# Altium PCB LimeSDR-Micro_M.2_2280_1v2.PcbDoc (part 9 of 9)
Units mm, origin at the board's own origin, x right, y up, seen from the top; angles counter-clockwise.
Board outline 80 x 22 mm, 8 copper layers (Top, L2, L3, L4, L5, L6, L7, Bottom), stack 0.775 mm thick; 678 components, 387 nets, 2375 pads, 919 vias.
Unrouted connection lines stored in the file: 254.
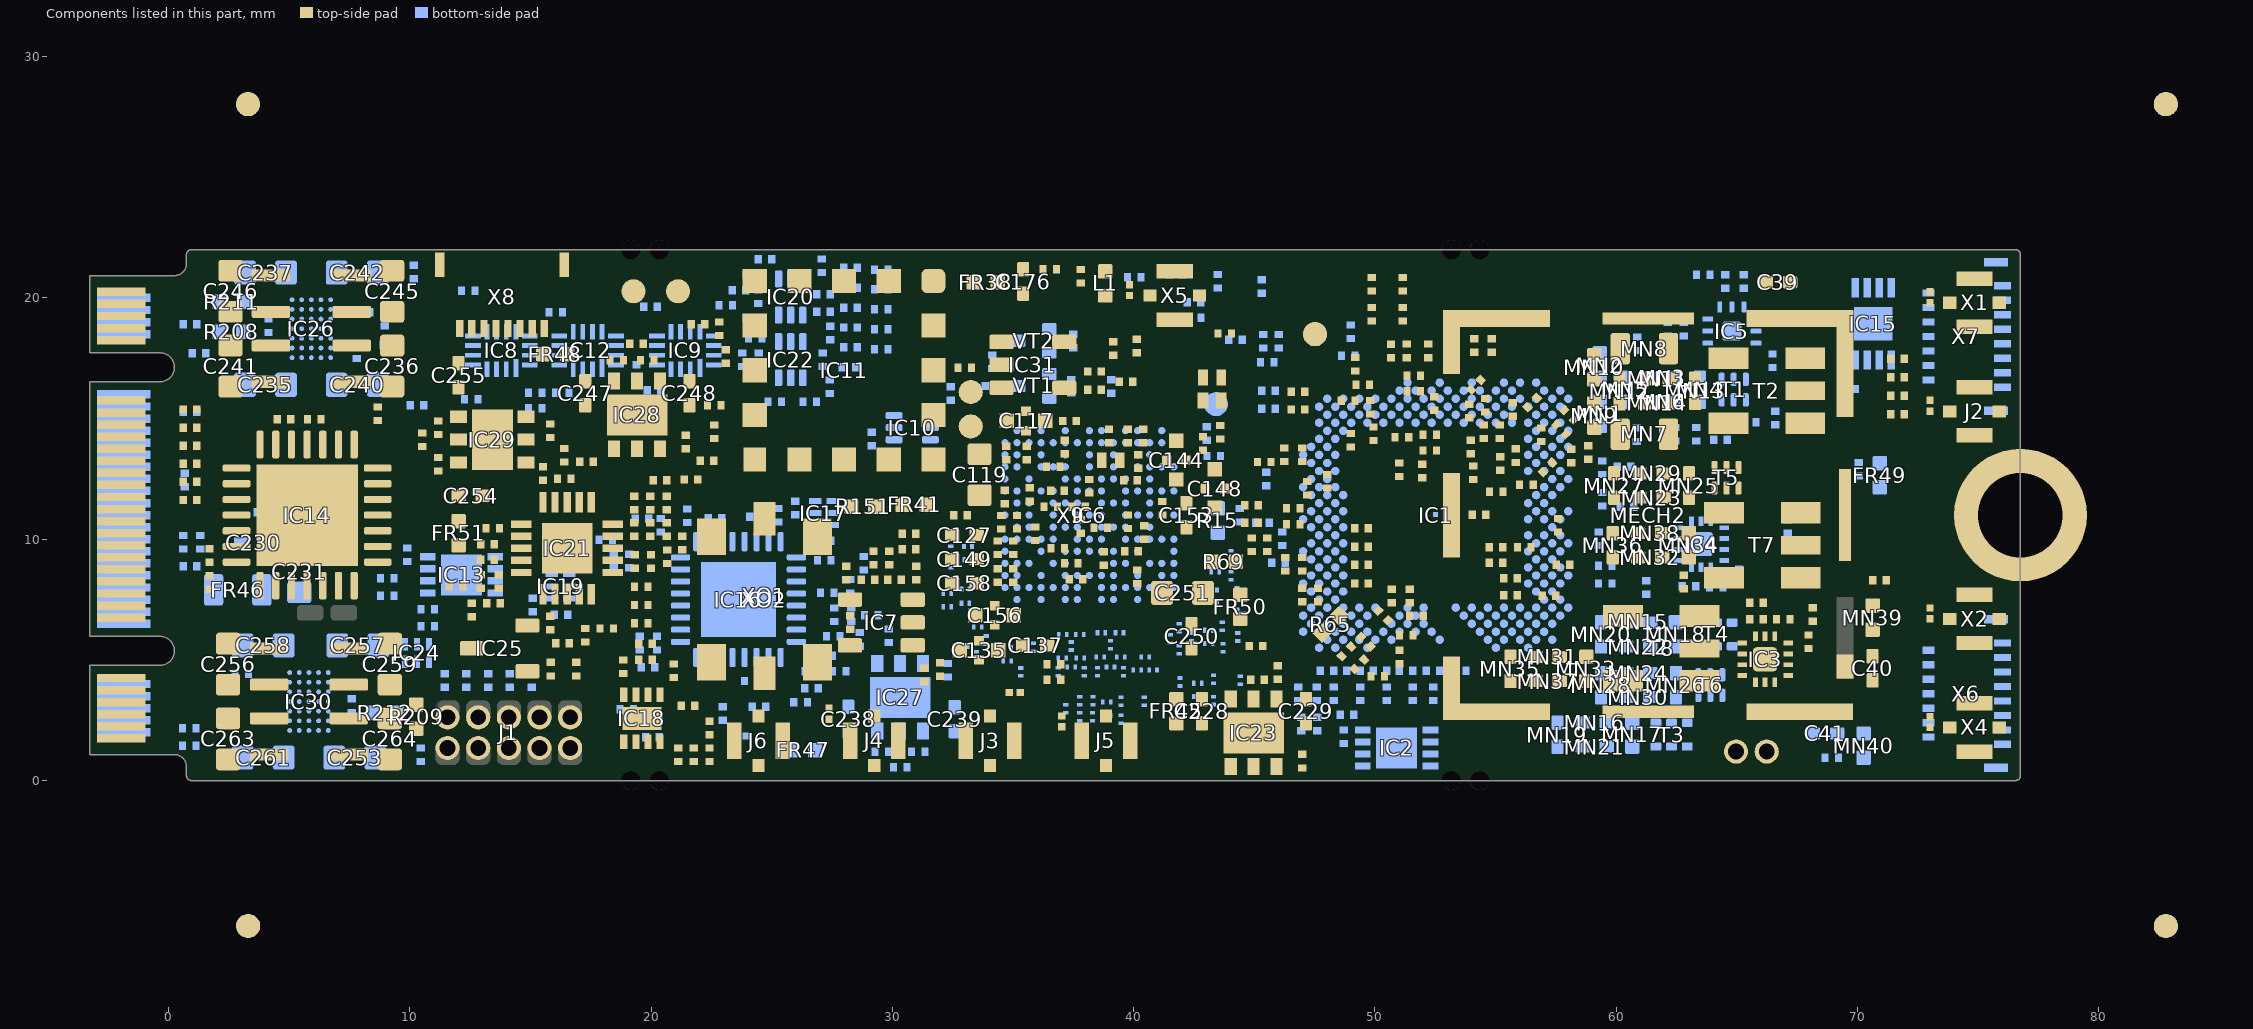
[diagram p15: the components of this part, seen from the top]

## Silkscreen, mask and mechanical layers (free items; w line width, h text height) (continued)
Mechanical1:
  drawing of 2595 lines, arcs and shapes, not listed
  text "LimeSDR-Micro M.2 2280 v.PROJECT_VERSION" at 246.425,288.375 h7
  text "CONTROLLED IMPEDANCE" at 106.525,274.875 h3
  text "STACKUP AND LAYER DESCRIPTION" at 235.525,274.875 h3
  text "GENERAL PARAMETERS" at 120.425,268.375 h1.7
  text "Parameter" at 142.425,264.6 h1.5
  text "Layer/Layers" at 187.925,264.375 h1.5
  text "Value" at 217.925,264.375 h1.5
  text "Top" at 182.925,259.575 h1.5
  text "17.5um" at 210.225,259.575 h1.5
  text "Copper foil thickness" at 107.425,259.375 h1.5
  text "102um (4 mils)" at 209.525,254.975 h1.5
  text "Dielectric thickness between layers" at 107.425,254.375 h1.5
  text "4.2" at 210.425,249.575 h1.5
  text "Dielectric permittivity between layers (Er)" at 107.425,249.375 h1.5
  text "Top-L2" at 182.925,248.375 h1.5
  text "Via type #2" at 327.3,247.33 h1.52
  text "Via type #1" at 357.2,247.305 h1.52
  text "17.5um" at 210.225,244.575 h1.5
  text "Copper foil thickness" at 107.425,244.375 h1.5
  text "Micro via" at 329.475,243.4 h1.52
  text "Bottom" at 182.925,243.375 h1.5
  text "Blind via" at 350.725,243.375 h1.52
  text "TH via" at 368.975,243.125 h1.52
  text "GERBER LAYER NAMES:" at 242.575,241.725 h1.52
  text "L7-Bot" at 331.425,240.325 h1.52
  text "L5-Bot" at 352.425,240.3 h1.52
  text "Top-Bot" at 368.425,240.05 h1.52
  text "102um (4 mils)" at 209.525,239.975 h1.5
  text "Dielectric thickness between layers" at 107.425,239.375 h1.5
  text "GTP" at 243.675,238.175 h1.52
  text "Top solder paste" at 248.775,237.825 h1
  text "GTO" at 243.675,235.1 h1.52
  text "Silkscreen" at 248.675,234.875 h1
  text "4.2" at 210.425,234.575 h1.5
  text "Dielectric permittivity between layers (Er)" at 107.425,234.375 h1.5
  text "ELECTRICAL LAYERS:" at 382.975,233.625 h1.52
  text "Bottom-L7" at 182.925,233.475 h1.5
  text "GTS" at 243.675,232.425 h1.52
  text "Soldermask (halogen free)" at 248.675,231.125 h1
  text "Top: RF/Signal/PWR/GND" at 383.65,230.15 h1.52
  text "GTL" at 243.675,229.925 h1.52
  text "0.5oz+plating" at 248.675,229.425 h1
  text "IT180A: 3313" at 297.137,227.275 h1.2
  text "4mil (102um)" at 279.837,227.25 h1
  text "PP" at 270.975,227.125 h1
  text "CALCULATIONS" at 106.425,226.875 h1.7
  text "G1" at 243.675,225.425 h1.52
  text "1oz (35um)" at 248.675,225.225 h1
  text "L2: GND" at 383.675,225.125 h1.52
  text "IT180A: 1078" at 297.125,222.8 h1.2
  text "3mil (80um)" at 279.825,222.775 h1
  text "CORE" at 270.975,222.625 h1
  text "Target impedance" at 113.425,221.875 h1.5
  text "Single-ended" at 182.925,221.875 h1.5
  text "50R" at 209.425,221.875 h1.5
  text "G2" at 243.675,220.925 h1.52
  text "1oz (35um)" at 248.675,220.725 h1
  text "L3: Signal/PWR/GND" at 383.675,220.625 h1.52
  text "IT180A: 1078" at 297.125,218.3 h1.2
  text "3mil (80um)" at 279.825,218.275 h1
  text "PP" at 270.975,218.125 h1
  text "Additional comments" at 113.425,216.875 h1.5
  text "Top layer, no side GND plane" at 182.925,216.875 h1.5
  text "G3" at 243.675,216.425 h1.52
  text "1oz (35um)" at 248.675,216.225 h1
  text "L4: Signal/PWR/GND" at 383.675,216.125 h1.52
  text "IT180A: 3313" at 297.125,213.775 h1.2
  text "4mil (102um)" at 279.825,213.75 h1
  text "CORE" at 270.975,213.625 h1
  text "G4" at 243.662,211.925 h1.52
  text "Top layer copper foil thickness" at 113.425,211.875 h1.5
  text "17.5um" at 182.925,211.875 h1.5
  text "1oz (35um)" at 248.675,211.725 h1
  text "1oz (35um)" at 248.662,211.7 h1
  text "L5: GND" at 383.775,211.625 h1.52
  text "IT180A: 1078" at 297.125,209.3 h1.2
  text "3mil (80um)" at 279.825,209.275 h1
  text "PP" at 270.962,209.125 h1
  text "G5" at 243.662,207.45 h1.52
  text "1oz (35um)" at 248.662,207.25 h1
  text "L6: CLK/PWR/GND" at 383.662,207.15 h1.52
  text "Track width" at 113.425,206.875 h1.5
  text "0.18mm" at 182.925,206.875 h1.5
  text "IT180A: 1078" at 297.112,204.825 h1.2
  text "3mil (80um)" at 279.812,204.8 h1
  text "CORE" at 270.962,204.65 h1
  text "G6" at 243.65,202.95 h1.52
  text "1oz (35um)" at 248.662,202.75 h1
  text "1oz (35um)" at 248.65,202.725 h1
  text "L7: GND" at 383.763,202.65 h1.52
  text ">3h" at 182.925,201.975 h1.5
  text "Distance to reference plane" at 113.425,201.875 h1.5
  text "IT180A: 3313" at 297.112,200.325 h1.2
  text "4mil (102um)" at 279.812,200.3 h1
  text "PP" at 270.95,200.15 h1
  text "102um (4 mils)" at 209.525,198.475 h1.5
  text "GBL" at 243.65,198.475 h1.52
  text "Bottom: RF/Signal/PWR/GND" at 383.7,198.45 h1.52
  text "0.5oz+plating" at 248.65,197.975 h1
  text "Dielectric thickness between layers" at 113.425,197.875 h1.5
  text "GBS" at 243.65,195.975 h1.52
  text "Soldermask (halogen free)" at 248.65,194.775 h1
  text "ADDITIONAL LAYERS:" at 385.95,194.175 h1.52
  text "GBO" at 243.65,193.375 h1.52
  text "Silkscreen" at 248.65,193.175 h1
  text "4.2" at 210.425,193.075 h1.5
  text "Dielectric permittivity between layers (Er)" at 113.425,191.875 h1.5
  text "Top-L2" at 182.925,191.875 h1.5
  text "GBP" at 243.65,190.4 h1.52
  text "Bottom solder paste" at 248.65,190.2 h1
  text "Mechanical 1: Board cutout" at 388.65,189.975 h1.52
  text "Total PCB thicknes: 0.8mm +/- 10%" at 267.25,187.675 h1.52
  text "50 Ohms (+/- 10% tolerance)" at 182.925,186.975 h1.5
  text "ASM TOP: Assembly top" at 388.65,186.975 h1.52
  text "RF (Top)" at 112.925,186.875 h2 r90
  text "Approximate microstrip line impedance" at 113.425,186.875 h1.5
  text "0.2mm drill / 0.35mm ring" at 350.025,185.33 h1.2
  text "0.2mm drill / 0.35mm ring" at 366.875,185.28 h1.2
  text "ASM BOT: Assembly bottom" at 388.65,183.975 h1.52
  text "TH via type must be resin filled with metal cap" at 315.7,182.08 h1.52
  text "Target impedance" at 113.425,181.875 h1.5
  text "Differential" at 182.925,181.875 h1.5
  text "100R" at 209.425,181.875 h1.5
  text "Mechanical 13: Component 3D body" at 388.65,180.975 h1.52
  text "Notes: Board shape and frame" at 388.725,178.05 h1.52
  text "Additional comments" at 113.425,176.875 h1.5
  text "Top layer, no side GND plane" at 182.925,176.875 h1.5
  text "Blind and micro via type can be coated with copper" at 315.8,176.105 h1.52
  text "Top layer copper foil thickness" at 113.425,171.875 h1.5
  text "17.5um" at 182.925,171.875 h1.5
  text "Track width" at 113.425,166.875 h1.5
  text "0.1 mm (3.93 mils)" at 182.925,166.875 h1.5
  text "Track spacing" at 113.425,161.875 h1.5
  text "0.1 mm (3.93 mils)" at 182.925,161.875 h1.5
  text ">3h" at 182.925,156.975 h1.5
  text "Distance to reference plane" at 113.425,156.875 h1.5
  text "102um (4 mils)" at 209.525,153.475 h1.5
  text "Dielectric thickness between layers" at 113.425,152.875 h1.5
  text "4.2" at 210.425,148.075 h1.5
  text "Dielectric permittivity between layers (Er)" at 113.425,146.875 h1.5
  text "Top-L2" at 182.925,146.875 h1.5
  text "100 Ohms (+/- 10% tolerance)" at 182.925,141.975 h1.5
  text "RF (Top)" at 112.925,141.875 h2 r90
  text "Approximate microstrip line impedance" at 113.425,141.875 h1.5
  text "Target impedance" at 113.425,136.875 h1.5
  text "Single-ended" at 182.925,136.875 h1.5
  text "50R" at 209.425,136.875 h1.5
  text "Additional comments" at 113.425,131.875 h1.5
  text "Bottom layer, no side GND plane" at 182.925,131.875 h1.5
  text "Top layer copper foil thickness" at 113.425,126.875 h1.5
  text "17.5 um" at 182.925,126.875 h1.5
  text "VERY IMPORTANT NOTES" at 235.525,123.675 h3
  text "Track width" at 113.425,121.875 h1.5
  text "0.18mm" at 182.925,121.875 h1.5
  text "GENERAL PCB SPECS" at 235.525,117.175 h1.7
  text "ADDITIONAL REQUIREMENTS" at 344.525,117.175 h1.7
  text ">3h" at 182.925,116.975 h1.5
  text "Distance to reference plane" at 113.425,116.875 h1.5
  text "102um (4 mils)" at 209.525,113.475 h1.5
  text "Dielectric thickness between layers" at 113.425,112.875 h1.5
  text "Minimum copper to copper spacing" at 236.425,112.175 h1.5
  text "0.1mm (3.9mil)" at 291.925,112.175 h1.5
  text "4.2" at 210.425,108.075 h1.5
  text "Minimum track width" at 236.425,107.175 h1.5
  text "0.1mm (3.9mil)" at 291.925,107.175 h1.5
  text "All 0.2mm vias including 0.35mm ring and 0.2mm drill via-in-pads (IC1 and IC6) must be resin filled with metal cap." at 349.375,107.175 h1.5
  text "Dielectric permittivity between layers (Er)" at 113.425,106.875 h1.5
  text "Bottom-L7" at 182.925,106.875 h1.5
  text "PCB thickness" at 236.425,102.175 h1.5
  text "0.8mm +/-10%" at 291.925,102.175 h1.5
  text "49.99 Ohms (+/- 10% tolerance)" at 182.925,101.975 h1.5
  text "RF (Bottom)" at 112.925,101.875 h2 r90
  text "Approximate microstrip line impedance" at 113.425,101.875 h1.5
  text "Target impedance" at 113.425,96.875 h1.5
  text "Differential" at 182.925,96.875 h1.5
  text "85R" at 209.425,96.875 h1.5
  text "PCB material" at 236.425,92.175 h1.5
  text "IT-180A preferred or equivalent RF-rated material (up to 3 GHz or higher)" at 292.925,92.075 h1.5
  text "Additional comments" at 113.425,91.875 h1.5
  text "Top/Bottom layers, no side GND" at 182.925,91.875 h1.5
  text "IC1 thermal pad vias with 0.4mm ring and 0.2mm drill must be resin filled with metal cap. IC1 thermal pad vias  with 0.5mm ring and 0.2mm drill must be left open (NO resin fill with metal cap). 4 vias in total, marked with note." at 349.375,91.175 h1.5
  text "External layer" at 291.925,87.175 h1.5
  text "0.5 oz+plating" at 318.525,87.175 h1.5
  text "Top layer copper foil thickness" at 113.425,86.875 h1.5
  text "17.5 um" at 182.925,86.875 h1.5
  text "Copper weight" at 236.425,82.375 h1.5
  text "Internal layer" at 291.925,82.175 h1.5
  text "1 oz" at 318.425,82.175 h1.5
  text "Track width" at 113.425,81.875 h1.5
  text "0.14 mm (5.5 mils)" at 182.925,81.875 h1.5
  text "DARK BLUE" at 291.925,77.175 h1.5
  text "Electrical test : 100 % netlist." at 349.375,77.175 h1.5
  text "Track spacing" at 113.425,76.875 h1.5
  text "0.1 mm (3.93 mils)" at 182.925,76.875 h1.5
  text "Both sides" at 291.925,72.175 h1.5
  text ">3h" at 182.925,71.975 h1.5
  text "Distance to reference plane" at 113.425,71.875 h1.5
  text "173um (6.8 mils)" at 209.525,68.475 h1.5
  text "Dielectric thickness between layers" at 113.425,67.875 h1.5
  text "With halogen or halogen free" at 291.925,67.175 h1.5
  text "Boards are to be individually bagged." at 349.375,67.175 h1.5
  text "4.2" at 210.425,63.075 h1.5
  text "Solder mask" at 236.425,62.175 h1.5
  text "Glossy finish (NOT matte)" at 291.925,62.175 h1.5
  text "Dielectric permittivity between layers (Er)" at 113.425,61.875 h1.5
  text "Top-L2 / Bottom-L7" at 182.925,61.875 h1.5
  text "White epoxy ink" at 291.925,57.175 h1.5
  text "PCB vendor to silkscreen UL and RoHS compliance marks, vendor logo and date code on bottom where shown (ignore if none of the info will be placed on PCB)" at 349.375,57.175 h1.5
  text "PCIe REQUIREMENTS #2 AND #3" at 13.3,56.975 h0.7
  text "85 Ohms (+/- 10% tolerance)" at 182.925,56.975 h1.5
  text "PCIe (Top and Bottom)" at 112.925,56.875 h2 r90
  text "Approximate microstrip line impedance" at 113.425,56.875 h1.5
  text "PCI connector / edge chamfer" at -1.95,56.725 h0.7
  text "Both sides" at 291.925,52.175 h1.5
  text "2x20 (+/-5%) / degrees" at -8.325,47.6 h0.7
  text "With halogen or halogen free" at 291.925,47.175 h1.5
  text "Assembly note: Assembly house MUST provide notes in paper with shipped board if there were any changes during assembly and the board is not assembled 100% according to BOM and P&P files. Note example:" at 349.375,44.175 h1.5
  text "Silkscreen" at 236.425,42.175 h1.5
  text "No silkscreen on pads" at 291.925,42.175 h1.5
  text "2x 0.3mm (+/-0.25mm)" at -9.75,42.05 h0.7
  text "0.2 mm min" at 6.525,41.45 h0.7
  text "Comment" at 410.125,40.125 h1.5
  text "Part" at 350.725,38.875 h1.5
  text "Initial BOM asm. note" at 359.125,38.875 h1.5
  text "Current PCB status" at 377.125,38.875 h1.5
  text "0.8mm (+/-10%)" at -2.975,38.675 h0.7
  text "Plated" at 291.925,37.175 h1.5
  text "Non-plated" at 318.425,37.175 h1.5
  text "PCIe REQUIREMENT #1" at -7.425,36.425 h0.7
  text "R1" at 351.975,33.875 h1.5
  text "FIT" at 365.225,33.875 h1.5
  text "NF" at 383.475,33.875 h1.5
  text "Not mounted due to bad footprint" at 394.725,33.375 h1.5
  text "IC5" at 351.475,30.875 h1.5
  text "FIT" at 365.225,30.875 h1.5
  text "NF" at 383.475,30.375 h1.5
  text "Not mounted due to part shortage" at 394.725,29.875 h1.5
  text "Hole types on the PCB and information" at 236.425,27.175 h1.5
  text "Hole diameters are final manufactured diameters INCLUDING HOLE METALIZATION." at 296.125,27.175 h1.5
  text "V-score" at 292.675,22.175 h1.5
  text "Tab route" at 318.425,22.175 h1.5
  text "M key" at -2.65,18.55 h0.7
  text "Route process" at 236.425,17.175 h1.5
  text "V-score and tab route" at 292.675,17.175 h1.5
  text "PCIe REQUIREMENT #1: PCI EXPRESS pads (top and bottom) - 30 micro inches of gold over 50 micro inches nickel plating" at 349.375,17.15 h1.5
  text "Panel" at 236.325,12.175 h1.5
  text "Yes" at 292.675,12.175 h1.5
  text "No" at 318.425,12.175 h1.5
  text "HASL lead free" at 292.675,7.175 h1.5
  text "PCIe REQUIREMENT #2: Board edge below PCI pads must be chamfered (as shown). Edges must be free of cutting burrs" at 349.375,7.15 h1.5
  text "B key" at -2.725,2.225 h0.7
  text "HASL with lead" at 292.675,2.175 h1.5
  text "Immersion gold" at 292.675,-2.825 h1.5
  text "PCIe REQUIREMENT #3: PCIe finger leader lines are acceptable" at 349.375,-2.85 h1.5
  text "0.05-0.10um of gold over / 2.50-5.00um of nickel" at 314.075,-2.925 h1
  text "OSP" at 292.675,-7.825 h1.5
  text "Blind vias can be coated with copper" at 349.375,-12.85 h1.5
  text "0.8-2um of electroplated gold on PCIe fingers" at 314.225,-13.05 h1
  text "Surface finish (both sides)" at 236.225,-13.125 h1.5
  text "Hard gold" at 292.675,-13.125 h1.5
Notes:
  lines w0.15: 18.251,0 18.251,-3.025 -3.25,-3.025 -3.25,-13.18 89.925,-13.18 89.925,35.18 -3.25,35.18 -3.25,25.025 18.251,25.025 18.251,22 ; 21.249,0 21.249,-3.025 52.251,-3.025 52.251,0 ; 21.249,22 21.249,25.025 52.251,25.025 52.251,22 ; 55.249,0 55.249,-3.025 79.775,-3.025 79.775,25.025 55.249,25.025 55.249,22 ; -3.25,1.075 -3.25,4.775 -0.35,4.775 ccw(c-0.35,5.375) -0.35,5.975 -3.25,5.975 -3.25,16.525 -0.35,16.525 ccw(c-0.35,17.125) -0.35,17.725 -3.25,17.725 -3.25,20.925 0.25,20.925 ccw(c0.25,21.425) 0.75,21.425 0.75,21.8 cw(c0.95,21.8) 0.95,22 76.55,22 cw(c76.55,21.8) 76.75,21.8 76.75,11 76.75,0.2 cw(c76.55,0.2) 76.55,0 0.95,0 cw(c0.95,0.2) 0.75,0.2 0.75,0.575 ccw(c0.25,0.575) 0.25,1.075 -3.25,1.075
ASM BOT:
  lines w0.1: 26.3,19.025 27.175,19.425 ; 26.475,20.725 27.15,20.15 ; 26.575,18.075 27.43,18.545 ; 26.675,17.225 27.114,17.44
  lines w0.15: -3.25,1.075 0.25,1.075 cw(c0.25,0.575) 0.75,0.575 0.75,0.2 ccw(c0.95,0.2) 0.95,0 76.55,0 ccw(c76.55,0.2) 76.75,0.2 76.75,11 76.75,21.8 ccw(c76.55,21.8) 76.55,22 0.95,22 ccw(c0.95,21.8) 0.75,21.8 0.75,21.425 cw(c0.25,21.425) 0.25,20.925 -3.25,20.925 -3.25,17.725 -0.35,17.725 cw(c-0.35,17.125) -0.35,16.525 -3.25,16.525 -3.25,5.975 -0.35,5.975 cw(c-0.35,5.375) -0.35,4.775 -3.25,4.775 -3.25,1.075
  text "Assembly bottom" at 47.225,23 h1.25
ASM TOP:
  text "Assembly top" at 31.35,23 h1.25
  text "TP7" at 5.275,6.675 h0.55
  text "TP7" at 7.1,6.65 h0.55

## Dimensions
-3.25,-13.509 to 0.75,0.2 on Mechanical1
-0.35,4.775 to 0.25,1.075 on Mechanical1
-0.35,17.725 to -0.35,16.525 on Mechanical1
-0.35,16.525 to -0.35,5.975 on Mechanical1
0.25,20.925 to 0.4,17.725 on Mechanical1
-0.35,5.975 to -0.35,4.775 on Mechanical1
-0.35,5.375 to 3.465,9.19 on Mechanical1
76.75,11 to 73.375,8.55 on Mechanical1
76.55,22 to 76.55,0 on Mechanical1
89.925,35.18 to 89.925,-13.18 on Mechanical1
-3.25,-13.509 to 76.75,0.2 on Mechanical1
-3.25,-13.18 to 89.925,-13.18 on Mechanical1

## Text inside footprints (layer, text, board x,y; h text height)
D1: ASM TOP "A" at 42.725,16.525 h0.2; ASM TOP "C" at 43.525,16.525 h0.2
D2: ASM TOP "C" at 38.575,13.2 h0.25; ASM TOP "A" at 39.4,13.2 h0.25
D3: ASM TOP "A" at 42.75,15.65 h0.2; ASM TOP "C" at 43.525,15.65 h0.2
IC1: ASM BOT "Pad size = 0.35mm / Pad paste mask = 0.35mm / No AM2 pad" at 58.366,7.775 h0.4; ASM BOT "Footprint revision: r5" at 55.166,7.05 h0.4; ASM BOT "1) paste/pad ratio ~60% / 2) 4 thermal pad vias  / without metal cap / 3) all other thermal pad  / vias with metal cap" at 56.841,12.7 h0.4; Mechanical7 "0.2mm/0.5mm hole/ring vias under   / pad to be left open (no metal cap)" at 59.28,4.2 h0.35
IC6: ASM BOT "12" at 39.517,13.625 h0.3; ASM BOT "8" at 37.617,13.625 h0.3; ASM BOT "4" at 35.816,13.625 h0.3; ASM BOT "15" at 40.866,14.425 h0.3; ASM BOT "13" at 39.917,14.425 h0.3; ASM BOT "14" at 40.617,13.625 h0.3; ASM BOT "10" at 38.566,13.625 h0.3; ASM BOT "6" at 36.617,13.625 h0.3; ASM BOT "2" at 34.991,13.625 h0.3; ASM BOT "11" at 39.017,14.425 h0.3; ASM BOT "9" at 38.117,14.425 h0.3; ASM BOT "7" at 37.117,14.425 h0.3; ASM BOT "5" at 36.117,14.425 h0.3; ASM BOT "3" at 35.341,14.425 h0.3; ASM BOT "1" at 34.466,7.725 h0.3; ASM BOT "D" at 41.162,8.73 h0.3; ASM BOT "H" at 41.162,10.73 h0.3; ASM BOT "M" at 41.162,12.73 h0.3; ASM BOT "A" at 35.041,7.25 h0.3; ASM BOT "B" at 41.162,7.73 h0.3; ASM BOT "C" at 41.862,8.33 h0.3; ASM BOT "G" at 41.862,10.33 h0.3; ASM BOT "F" at 41.162,9.73 h0.3; ASM BOT "E" at 41.862,9.33 h0.3; ASM BOT "L" at 41.862,12.33 h0.3; ASM BOT "K" at 41.162,11.73 h0.3; ASM BOT "J" at 41.862,11.33 h0.3; ASM BOT "N" at 41.862,13.33 h0.3; ASM BOT "P" at 41.162,13.73 h0.3; ASM BOT "R" at 41.862,14.33 h0.3; BottomOverlay "R" at 33.55,14.425 h0.5; BottomOverlay "A" at 33.7,7.475 h0.5; BottomOverlay "1" at 34.2,6.25 h0.5 r270; BottomOverlay "15" at 42.315,15.625 h0.5
J1: ASM TOP "10" at 16.21,2.56 h0.25; ASM TOP "9" at 16.51,1.035 h0.25; ASM TOP "1" at 11.485,1.06 h0.25; ASM TOP "2" at 11.41,2.335 h0.25; TopOverlay "10" at 18.2,3.275 h0.55 r90; TopOverlay "9" at 18.2,0.25 h0.55 r90; TopOverlay "2" at 10.55,3.975 h0.55 r90; TopOverlay "1" at 10.55,0.325 h0.55 r90
J2: ASM TOP "in" at 74.125,15 h0.3 r90
J3: ASM TOP "in" at 33.75,2.375 h0.3
J4: ASM TOP "in" at 28.95,2.375 h0.3
J5: ASM TOP "in" at 38.55,2.375 h0.3
J6: ASM TOP "in" at 24.15,2.375 h0.3
JP1: ASM TOP "1" at 64.625,0.9 h0.3; TopOverlay "2" at 67.285,0.935 h0.55; TopOverlay "1" at 63.605,0.935 h0.55
MECH1: ASM TOP "Shield Cover" at 53.1,2.8 h0.55
MECH2: ASM TOP "Shield Frame" at 55.35,20.1 h0.4
T2: Mechanical13 "NC" at 69.041,16.35 h0.2 r270; Mechanical13 "Sec" at 69.041,15.15 h0.2 r270; Mechanical13 "Sec*" at 69.041,17.85 h0.2 r270; Mechanical13 "Pri" at 63.241,15.05 h0.2 r270; Mechanical13 "Pri*" at 63.241,17.85 h0.2 r270
T7: Mechanical13 "Pri*" at 63.054,11.45 h0.2 r270; Mechanical13 "Pri" at 63.054,8.65 h0.2 r270; Mechanical13 "Sec*" at 68.854,11.45 h0.2 r270; Mechanical13 "Sec" at 68.854,8.75 h0.2 r270; Mechanical13 "NC" at 68.854,9.95 h0.2 r270
T8: Mechanical13 "NC" at 64.666,5.675 h0.2 r270; Mechanical13 "Sec" at 64.666,4.475 h0.2 r270; Mechanical13 "Sec*" at 64.666,7.175 h0.2 r270; Mechanical13 "Pri" at 58.866,4.375 h0.2 r270; Mechanical13 "Pri*" at 58.866,7.175 h0.2 r270
VT1: ASM BOT "S" at 36.566,15.75 h0.3; ASM BOT "D" at 35.266,16.25 h0.3; ASM BOT "G" at 36.566,16.75 h0.3
VT2: ASM BOT "S" at 36.566,17.625 h0.3; ASM BOT "D" at 35.266,18.125 h0.3; ASM BOT "G" at 36.566,18.625 h0.3
X1: ASM TOP "in" at 74.125,19.5 h0.3 r90
X2: ASM TOP "in" at 74.125,6.4 h0.3 r90
X4: ASM TOP "in" at 74.125,1.9 h0.3 r90
X5: ASM TOP "in" at 40.975,19.8 h0.3 r90
X6: ASM BOT "Connector input" at 76.05,1.4 h0.3 r270
X7: ASM BOT "Connector input" at 76.05,16.325 h0.3 r270